# Altium PCB Placa adaptadora TMS320F28335 - PCB.PcbDoc (part 2 of 2)
Units mil, origin at the board's own origin, x right, y up, seen from the top; angles counter-clockwise.
Board outline 7480.31 x 3149.61 mil, 2 copper layers (Top Layer, Bottom Layer); 137 components, 135 nets, 584 pads, 114 vias.
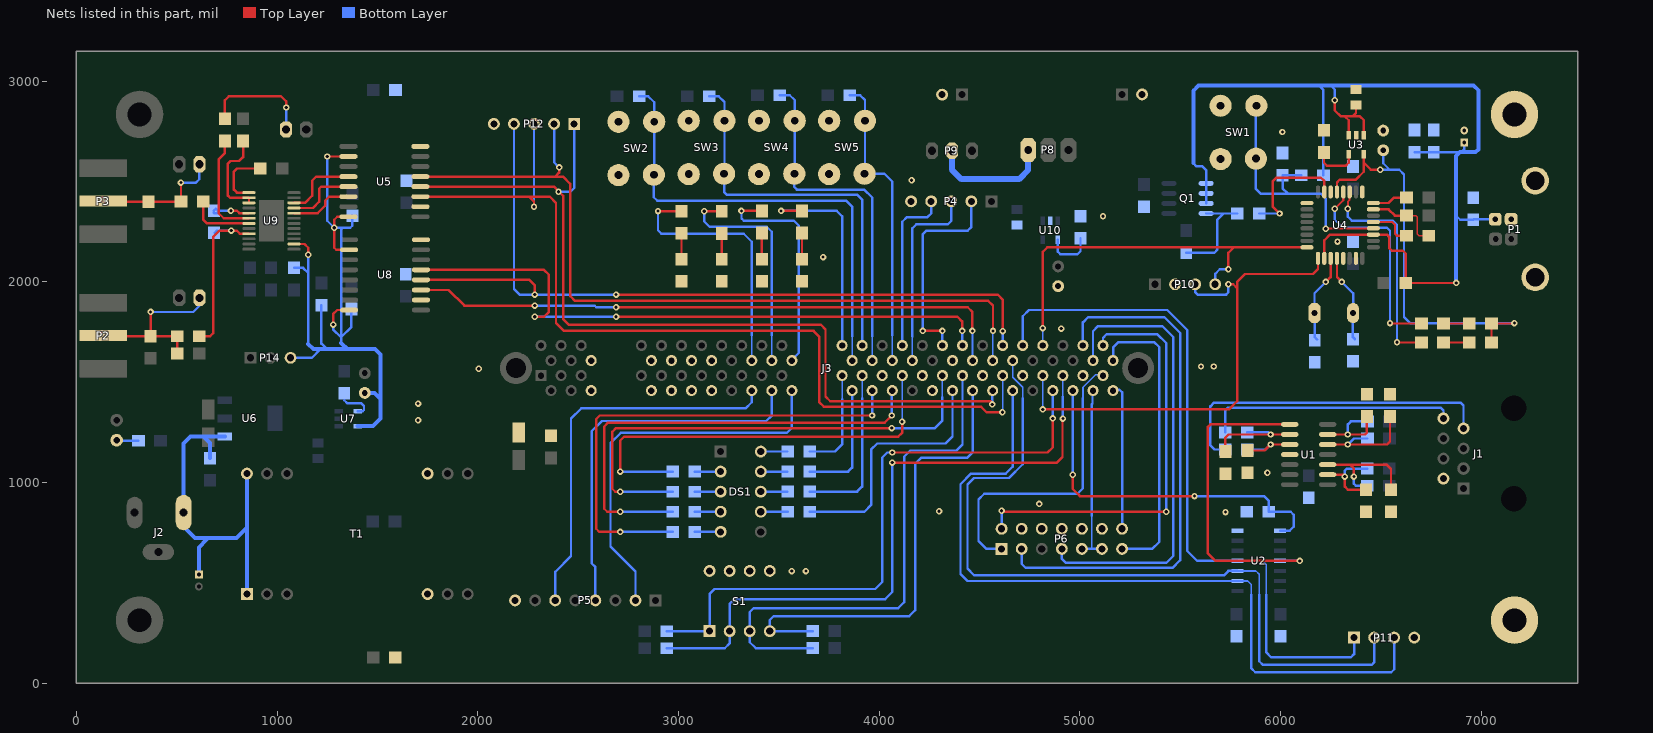
[diagram p2: the nets of this part, all layers, seen from the top]

## Via types
v1: diameter 32, hole 16, Top Layer to Bottom Layer, 114 vias

## Nets (pads, with @x,y where several pads share a name; then routed paths per layer and width w, separated by ;. In a path a pad name is that pad's centre, name@x,y a point inside that pad or via, vN(x,y) a via of type N, cw(c..) or ccw(c..) an arc to the next point about the centre after c; other vN are vias at no path point) (continued)
DVDD: C26.1 C29.1 C32.1 C37.1 P14.3 R19.1 U5.10 U5.16 U7.5 U8.10 U8.16 U9.2 | length 3857.5
  Top Layer w12: U9.2@1084.41,2189.09 1135.91,2189.09 1155,2170 v1(1155,2135) ; v1(1250,2625) U5.10@1355.87,2625 ; v1(1279.53,1787.4) 1279.53,1839.53 1300,1860 U8.16@1350.87,1860 ; U8.10@1350.87,2160 1295,2160 1285,2170 v1(1285,2270) 1285,2310 1300,2325 U5.16@1355.87,2325
  Bottom Layer w12: P14.3@1067,1622 1173.65,1622 1217,1665.35 ; C37.1@1085,2070.12 1129.88,2070.12 1155,2045 ; 1155,1691.46 1155,2045 ; v1(1155,2135) 1155,2045 ; R19.1@1220.92,1884.11 1220.92,1692.46 1248.03,1665.35 ; v1(1250,2625) 1250,2305 v1(1285,2270) 1325,2270 ; v1(1279.53,1787.4) 1279.53,1763.78 1318.9,1724.41 1370,1775.51 C32.1@1370,1864.88 ; 1318.9,1696.85 1318.9,2260.9 1325,2267 1325,2270 ; C29.1@1375,2329.88 1375,2280 1365,2270 1325,2270
  Bottom Layer w20: 1155,1691.46 1181.1,1665.35 1217,1665.35 1248.03,1665.35 1350.39,1665.35 ; 1318.9,1696.85 1350.39,1665.35 ; U7.5@1401.57,1281.5 1478.35,1281.5 1515.75,1318.9 1515.75,1417.32 ; C26.1@1437.01,1446.85 1486.22,1446.85 1515.75,1417.32 ; 1350.39,1665.35 1488.19,1665.35 1515.75,1637.8 1515.75,1417.32
EMU0: J3.100 P6.13 | length 1481.7
  Bottom Layer w12: J3.100@5165.16,1612.2 5165.16,1673.03 5192.13,1700 5370,1700 5395,1675 5395,705 5360,670 P6.13@5210,670
EMU1: J3.50 P6.14 | length 730.1
  Bottom Layer w12: J3.50@5165.16,1462.6 5197.4,1462.6 5210,1450 P6.14@5210,770
EQEPA-1: J3.40 P11.3 U2.2 | length 3899.5
  Bottom Layer w8: U2.2@5785,510 5836.46,510 5854.33,492.13 5854.33,440.94
  Bottom Layer w12: J3.40@4665.16,1462.6 4665.16,1080 4665.32,1080 4630.32,1045 4458,1045 4405,992 4405,545 4440,510 U2.2@5785,510 ; 5854.33,440.94 5854.33,74.8 5874.02,55.12 6551.18,55.12 6566.14,70.08 P11.3@6566.14,228.35
EQEPB-1: J3.90 P11.2 U2.3 | length 3902.4
  Bottom Layer w8: J3.90@4665.16,1612.2 4665.16,1524.84 4715,1475 4715,1420 ; U2.3@5785,560 5877.01,560 5893.7,543.31 5893.7,440.94
  Bottom Layer w12: 4715,1420 4715,1092 4646,1023 4473,1023 4440,990 4440,571.81 4473.81,538 5718,538 5740,560 U2.3@5785,560 ; 5893.7,440.94 5893.7,110.24 5911.94,92 6454.2,92 6466.14,103.94 P11.2@6466.14,228.35
EQEPI-1: J3.91 P11.1 U2.4 | length 3512.2
  Bottom Layer w8: U2.4@5785,610 5909.68,610 5929.13,590.55 5929.13,440.94
  Bottom Layer w12: J3.91@4715.16,1687.01 4715.16,1829.33 4745.83,1860 5435,1860 5535,1760 5535,660 5585,610 U2.4@5785,610 ; 5929.13,440.94 5929.13,153.54 5952.76,129.92 6350.39,129.92 6366.14,145.67 P11.1@6366.14,228.35
EQEPS-1: J3.41
"EXTERN 5V": P8.3 P9.2 | length 613.3
  Bottom Layer w30: P9.2@4362.2,2653.54 4362.2,2559.06 4409.45,2511.81 4696.85,2511.81 4742.52,2557.48 P8.3@4742.52,2657.48
FA+: C3.2 R2.1 U1.3 | length 616
  Top Layer w12: U1.3@6234.49,1090 6345,1090 ; v1(6365,1030) 6365,1070 6345,1090 ; C3.2@6550,965.12 6550,1068.11 6528.11,1090 6345,1090
  Bottom Layer w12: v1@6365,1015 v1(6365,1030) ; v1@6365.25,1029.75 6365.25,994.75 6375.25,984.75 R2.1@6431.24,984.75
FA-: C2.1 R1.1 U1.2 | length 396.1
  Top Layer w12: U1.2@6234.49,1040 6310,1040 v1(6320,1030) 6320,980 6334.88,965.12 C2.1@6425,965.12
  Bottom Layer w12: v1(6320,1030) 6320,1060 6329.75,1069.75 R1.1@6431.24,1069.75
FB+: C7.2 R4.1 U1.5 | length 551.6
  Top Layer w12: U1.5@6234.49,1190 v1(6335,1190) 6530,1190 6545,1205 C7.2@6545,1329.88
  Bottom Layer w12: v1(6335,1190) 6365,1220 R4.1@6432.59,1220
FB-: C6.1 R3.1 U1.6 | length 433.3
  Top Layer w12: U1.6@6234.49,1240 v1(6335,1240) 6420,1240 6430,1250 C6.1@6430,1329.88
  Bottom Layer w12: v1(6335,1240) 6335,1290 6350,1305 R3.1@6432.59,1305
FZ+: C9.2 R7.1 U1.10 | length 349.4
  Top Layer w12: C9.2@5835,1160.12 5920.12,1160.12 v1(5950,1190) U1.10@6045.51,1190
  Bottom Layer w12: R7.1@5833.76,1165.25 5925.25,1165.25 v1(5950,1190)
FZ-: C8.1 R6.1 U1.9 | length 517.1
  Top Layer w12: C8.1@5725,1155.12 5725,1225 5740,1240 v1(5950,1240) U1.9@6045.51,1240
  Bottom Layer w12: R6.1@5833.76,1250.25 5939.75,1250.25 v1(5950,1240)
GND: C1.1 C2.2 C3.1 C4.1 C5.2 C6.2 C7.1 C8.2 C9.1 C10.2 C11.2 C12.2 C13.2 C14.2 C15.2 C16.1 C17.1 C18.1 C19.1 C20.2 C21.2 C23.2 C28.2 C31.2 C41.2 C42.2 C43.2 C44.2 C45.1 J1.2 J3.6 J3.8 J3.10 J3.12 J3.14 J3.27 J3.37 J3.47 J3.56 J3.58 J3.60 J3.62 J3.64 P1.0 P1.4 P4.5 P5.8 P6.4 P6.8 P6.10 P6.12 P7.2 P10.2 P11.4 P12.5 P13.2 pad.4 pad.5 R5.1 R18.2 R22.2 R23.2 R24.2 R41.1 R42.1 S1.5 S1.6 S1.7 S1.8 SW1.1 SW2.1 SW3.1 SW4.1 SW5.1 T1.10 T1.15 U1.11 U2.7 U3.2 U4.9 U4.14 U4.17 U4.29 U4.31 U5.2 U5.8 U8.2 U8.8 U10.2
  other v1: 3563.98,559.06 3634.76,559.13 5725.39,853.35 4298.23,857.28 4797,894 5934.06,1049.21 1702.76,1311.02 1702.76,1393.7 2004.92,1566.93 5603.35,1578.74 5667.32,1578.74 4907.48,1767.72 3720.47,2124.02 6283.46,2200.79 5115.16,2326.77 4161.42,2506.89 6008.86,2747.05
GPIO-00: J3.23 R29.1 | length 523.1
  Bottom Layer w8: 3815.16,1414.84 J3.23@3815.16,1537.4
  Bottom Layer w12: R29.1@3653.76,1155.25 3780.25,1155.25 3815.16,1190.16 3815.16,1414.84
GPIO-01: J3.73 LED6.1 | length 1059.2
  Top Layer w12: v1(3511.24,2353.76) LED6.1@3615.25,2353.76
  Bottom Layer w12: v1(3511.24,2353.76) 3788.76,2353.76 3815.16,2327.37 J3.73@3815.16,1687.01
GPIO-02: J3.24 R30.1 | length 607.1
  Bottom Layer w12: R30.1@3653.76,1055.25 3845.25,1055.25 3865.16,1075.16 J3.24@3865.16,1462.6
GPIO-03: J3.74 R25.1 SW2.2 | length 2331.8
  Bottom Layer w8: J3.74@3865.16,1612.2 3865.16,1729.84
  Bottom Layer w12: R25.1@2803.76,2925.25 2848.76,2925.25 2879.07,2894.94 SW2.2@2879.07,2797.87 2879.07,2536.06 SW2.2@2877.11,2534.1 2877.11,2422.11 2894.21,2405 3835,2405 3865,2375 3865,1730 3865.16,1729.84
GPIO-04: J3.25 R31.1 | length 829
  Bottom Layer w8: 3915.16,1420.16 J3.25@3915.16,1537.4
  Bottom Layer w12: R31.1@3653.76,955.25 3890.25,955.25 3915.16,980.16 3915.16,1420.16
GPIO-05: J3.75 R26.1 SW3.2 | length 1963
  Bottom Layer w12: R26.1@3153.76,2925.25 3199.75,2925.25 3229.07,2895.93 SW3.2@3229.07,2802.87 3229.07,2541.06 SW3.2@3227.11,2539.1 3227.11,2447.89 3240,2435 3890,2435 3915.16,2409.84 J3.75@3915.16,1687.01
GPIO-06: J3.26 R33.1 | length 2449.1
  Top Layer w12: v1(2709.75,754.75) 2605.25,754.75 2590,770 2590,1317.13 2607.52,1334.65 v1(3964.57,1334.65)
  Bottom Layer w12: v1@2714.75,754.75 R33.1@2971.24,754.75 ; v1(3964.57,1334.65) 3964.57,1439.25 3976.38,1451.06 3965,1462.44 J3.26@3965.16,1462.6
GPIO-07: J3.76 R27.1 SW4.2 | length 1736.9
  Bottom Layer w8: J3.76@3965.16,1612.2 3965.16,1730
  Bottom Layer w12: R27.1@3503.76,2930.25 3554.75,2930.25 3579.07,2905.93 SW4.2@3579.07,2802.87 3579.07,2541.06 SW4.2@3577.11,2539.1 3577.11,2472.89 3590,2460 3925,2460 3965.16,2419.84 3965.16,1730
GPIO-08: J3.28 R35.1 | length 2334.3
  Top Layer w12: v1@2710,855 v1(2710.25,854.75) 2645.25,854.75 2630,870 2630,1279.61 2649.61,1299.21 4027.56,1299.21 v1(4062.99,1334.65)
  Bottom Layer w12: v1(2710.25,854.75) R35.1@2971.24,854.75 ; v1@4062.99,1342.52 4062.99,1460.43 J3.28@4065.16,1462.6
GPIO-09: J3.78 R28.1 SW5.2 | length 1495
  Bottom Layer w8: J3.78@4065.16,1612.2 4065.16,1734.84
  Bottom Layer w12: R28.1@3853.76,2930.25 3904.75,2930.25 3929.07,2905.93 SW5.2@3929.07,2802.87 3929.07,2541.06 SW5.2@3927.11,2539.1 4025.9,2539.1 4065,2500 4065,1735 4065.16,1734.84
GPIO-10: J3.29 R37.1 | length 2112.8
  Top Layer w12: v1(2710,1055) 2710,1210 2728.35,1228.35 4094.49,1228.35 4114.17,1248.03 v1(4114.17,1303.15)
  Bottom Layer w8: v1@4115.16,1315.94 J3.29@4115.16,1533.46 J3.29@4115.16,1537.4
  Bottom Layer w12: v1(2710,1055) 2710.25,1054.75 R37.1@2971.24,1054.75
GPIO-11: J3.79 P4.4 | length 838.1
  Bottom Layer w12: J3.79@4115.16,1683.07 4115.16,2300.2 4137.8,2322.83 4240.16,2322.83 4259.06,2341.73 P4.4@4259.06,2401.57
GPIO-12: J3.33 R39.1 | length 2487.4
  Top Layer w12: v1(2709.75,954.75) 2685.25,954.75 2670.25,969.75 2670.25,1252.93 2688.98,1271.65 v1(4062.99,1271.65)
  Bottom Layer w8: 4315.16,1425 J3.33@4315.16,1537.4
  Bottom Layer w12: v1(2709.75,954.75) R39.1@2971.24,954.75 ; v1(4062.99,1271.65) 4064.43,1270.21 4275.21,1270.21 4315.16,1310.16 4315.16,1425
GPIO-13: J3.83 P4.2 | length 1037.4
  Top Layer w12: v1(4216.54,1755.91) v1(4314.96,1755.91)
  Bottom Layer w12: v1(4216.54,1755.91) 4216.54,2236.22 4236.22,2255.91 4440.94,2255.91 4459.06,2274.02 P4.2@4459.06,2401.57 ; v1(4314.96,1755.91) 4315.16,1755.71 J3.83@4315.16,1683.07
GPIO-14: J3.84
GPIO-15: J3.34 R40.1 | length 1260.7
  Bottom Layer w12: R40.1@3653.76,855.25 3926.12,855.25 3960,889.13 3960,1165 3990,1195 4330,1195 4365.16,1230.16 J3.34@4365.16,1462.6
GPIO-24: J3.35 R36.2 S1.3 | length 2653.9
  Bottom Layer w8: 4415.16,1420.16 J3.35@4415.16,1537.4
  Bottom Layer w12: R36.2@3668.53,175.25 3384.75,175.25 3355,205 S1.3@3355,260 3355,355 3375,375 4095,375 4125,405 4125,1130 4155,1160 4385,1160 4415,1190 4415,1420 4415.16,1420.16
GPIO-25: J3.85 U8.5 | length 3181.6
  Top Layer w12: U8.5@1709.13,2060 U8.5@1717.01,2060 2329.76,2060 2354.33,2035.43 2354.33,1850.39 2330.71,1826.77 v1(2283.46,1826.77) ; v1(2688.98,1826.77) 4389.76,1826.77 4413.39,1803.15 v1(4413.39,1755.91)
  Bottom Layer w12: v1(2283.46,1826.77) v1(2688.98,1826.77) ; v1(4413.39,1755.91) 4413.39,1684.84 J3.85@4415.16,1683.07
GPIO-26: J3.36 R38.2 S1.4 | length 2364.8
  Bottom Layer w12: R38.2@3668.53,260.25 3668.28,260 S1.4@3455,260 3455,315 3475,335 4150,335 4180,365 4180,1095 4210,1125 4440,1125 4465.16,1150.16 J3.36@4465.16,1462.6
GPIO-27: J3.86 U8.3 | length 3051.1
  Top Layer w12: U8.3@1709.13,1960 U8.3@1717.01,1960 1854.96,1960 1933.07,1881.89 v1(2283.46,1881.89) ; v1(2688.98,1874.02) 4440.94,1874.02 4464.57,1850.39 v1(4464.57,1755.91)
  Bottom Layer w8: v1(4464.57,1755.91) 4465.16,1755.31 J3.86@4465.16,1608.27
  Bottom Layer w12: v1@2283.46,1874.02 v1(2283.46,1881.89) 2582.68,1881.89 2590.55,1874.02 v1(2688.98,1874.02)
GPIO-30: J3.44 R32.2 S1.1 | length 3083.8
  Top Layer w12: v1(4065,1150) 4838.98,1150 4865.16,1176.18 v1(4865.16,1319.88)
  Bottom Layer w12: R32.2@2941.47,259.75 3135.75,259.75 3135.75,240.75 S1.1@3162.62,240.75 ; S1.1@3155,260 3155,445 3180,470 3980,470 4015,505 4015,1125 4040,1150 v1(4065,1150) ; v1(4865.16,1319.88) J3.44@4865.16,1458.66
GPIO-32: J3.45 R34.2 S1.2 | length 3265
  Top Layer w12: v1(4065,1100) 4885.43,1100 4913.39,1127.95 v1@4913.39,1318.9
  Bottom Layer w8: 4915.16,1427.36 J3.45@4915.16,1533.46
  Bottom Layer w12: R34.2@2941.47,174.75 3230.85,174.75 3255,198.9 S1.2@3255,260 3255,395 3280,420 4030,420 4065,455 v1(4065,1100) ; 4915.16,1427.36 4915.35,1427.17 v1(4915.35,1318.9)
GPIO-34: J3.46 R5.2 U2.8 | length 1811.5
  Top Layer w12: v1(4964.57,1039.37) 4964.57,968.5 5000,933.07 v1(5570.87,933.07)
  Bottom Layer w12: v1(4964.57,1039.37) 4965.16,1039.96 J3.46@4965.16,1458.66 ; v1(5570.87,933.07) 5917.32,933.07 5941.47,908.92 R5.2@5941.47,854.75 6050.25,854.75 6065,840 6065,780 6045,760 U2.8@5997.6,760
GPIO-49: J3.80 P4.3 | length 966.2
  Bottom Layer w8: J3.80@4165.16,1608.27 4165.16,1728.15
  Bottom Layer w12: 4165.35,1728.35 4165.16,1728.15 4165.16,2267.52 4185.04,2287.4 4342.52,2287.4 4359.06,2303.94 P4.3@4359.06,2401.57
GPIO-58: J3.18 P5.6 | length 1930.6
  Bottom Layer w12: P5.6@2385.83,413.39 2385.83,555.12 2464.57,633.86 2464.57,1318.9 2515.75,1370.08 3334.65,1370.08 3365.16,1400.59 J3.18@3365.16,1458.66
GPIO-59: J3.68 LED3.1 | length 1286.8
  Top Layer w12: v1(2897.76,2352.76) LED3.1@3010.25,2352.76
  Bottom Layer w8: J3.68@3365.16,1612.2 3365.16,1734.84
  Bottom Layer w12: v1(2897.76,2352.76) 2897.76,2257.24 2915,2240 3325,2240 3365,2200 3365,1735 3365.16,1734.84
GPIO-60: J3.20 P5.4 | length 1904.9
  Bottom Layer w12: P5.4@2585.83,413.39 2585.83,579.53 2566.93,598.43 2566.93,1255.91 2618.11,1307.09 3437.01,1307.09 3465.16,1335.24 J3.20@3465.16,1458.66
GPIO-61: J3.70 LED4.1 | length 1133.1
  Top Layer w12: v1(3128.24,2351.76) LED4.1@3215.25,2351.76
  Bottom Layer w8: J3.70@3465.16,1612.2 3465.16,1734.84
  Bottom Layer w12: v1(3128.24,2351.76) 3128.24,2301.76 3155,2275 3440,2275 3465,2250 3465,1735 3465.16,1734.84
GPIO-62: J3.22 P5.2 | length 1955.5
  Bottom Layer w12: P5.2@2785.83,413.39 2785.83,556.69 2661.42,681.1 2661.42,1196.85 2712.6,1248.03 3539.37,1248.03 3565.16,1273.82 J3.22@3565.16,1458.66
GPIO-63: J3.72 LED5.1 | length 1122.5
  Top Layer w12: v1(3313.76,2353.76) LED5.1@3415.25,2353.76
  Bottom Layer w12: v1(3313.76,2353.76) 3313.76,2316.24 3325,2305 3575,2305 3600,2280 3600,1647.05 J3.72@3565.16,1612.2
GPIO-84: J3.31
GPIO-86: J3.32 | length 9.6
  Bottom Layer w12: J3.32@4263.78,1455.79 4267.72,1459.72 4265,1462.44 J3.32@4265.16,1462.6
HART-IN: C40.1 U9.18 | length 534.4
  Top Layer w12: C40.1@740.13,2702.04 740.13,2641.71 708.66,2610.24 708.66,2342.52 734.13,2317.05 U9.18@860,2317.05
IOUT: R20.2 U9.19 | length 325.6
  Top Layer w12: R20.2@631.47,2400.25 631.47,2311.53 651.54,2291.46 U9.19@860,2291.46
MISO: U5.12 U9.10 | length 369.7
  Top Layer w12: U9.10@1084.41,2393.82 1138.82,2393.82 1175,2430 1175,2505 1195,2525 U5.12@1355.87,2525
MOSI: U5.13 U9.9 | length 353.8
  Top Layer w12: U9.9@1084.41,2368.23 1178.23,2368.23 1210,2400 1210,2465 1220,2475 U5.13@1355.87,2475
N/C: P6.6
NetC11_1: C11.1 U3.4 | length 227.7
  Top Layer w12: C11.1@6216.24,2645.02 6216.24,2593.65 6230,2579.88 6325,2579.88 6339.19,2594.07 U3.4@6339.19,2635.88
NetC22_2: C22.2 Q1.4 R15.2 | length 508.8
  Bottom Layer w12: C22.2@5530,2145.75 5669.88,2145.75 5685,2160.87 5685,2311.12 5715,2341.12 ; Q1.4@5628.76,2341 5628.87,2341.12 5715,2341.12 ; R15.2@5783.53,2341.12 5715,2341.12
NetC30_1: C30.1 U7.4 | length 163.8
  Bottom Layer w12: 1334.65,1410.17 1348.32,1396.5 1418.46,1396.5 1433.07,1381.89 1433.07,1362.2 1427.17,1356.3 U7.4@1401.57,1356.3
NetC33_2: C33.2 U9.17 | length 209.4
  Top Layer w12: v1(770,2355) 800,2355 812.36,2342.64 U9.17@860,2342.64
  Bottom Layer w12: C33.2@685,2345.12 687.48,2342.64 C33.2@705,2342.64 ; C33.2@685,2355.12 694.88,2365 704.88,2355 v1(770,2355)
NetC34_1: C34.1 P2.1 R16.1 R17.1 W3.1 | length 842.4
  Top Layer w12: P2.1@120.98,1732.32 123.19,1730.12 C34.1@370,1730.12 ; v1(370.08,1850.39) 370,1850.32 C34.1@370,1730.12 ; R16.1@501.97,1644.25 R17.1@501.97,1729.25 370.87,1729.25 C34.1@370,1730.12
  Bottom Layer w12: v1(370.08,1850.39) 582.68,1850.39 612.57,1880.28
NetC38_1: C38.1 P3.1 R20.1 W1.1 | length 656.2
  Top Layer w12: P3.1@133.98,2402.32 136.06,2400.25 R20.1@521.24,2400.25 521.24,2494.76 v1(521,2495)
  Bottom Layer w12: v1(521,2495) 596,2495 612.57,2511.57 W1.1@612.57,2586.41
NetC40_2: C40.2 W2.1 | length 556.6
  Top Layer w12: C40.2@740.13,2812.28 740.13,2905.49 759.84,2925.2 1019.68,2925.2 1045.43,2899.46 v1(1045.43,2869.24)
  Bottom Layer w12: W2.1@1045.43,2760.2 v1(1045.43,2869.24)
NetC42_1: C42.1 U10.4 | length 249.4
  Bottom Layer w12: U10.4@4889.6,2210.65 4889.6,2151.07 4902.83,2137.83 4987.83,2137.83 5002.83,2152.83 C42.1@5002.83,2217.72
NetD1_1: D1.1 R44.1 | length 106.9
  Bottom Layer w12: D1.1@202.42,1208.78 R44.1@309.31,1208.78
NetDS1_2: DS1.2 R37.2 | length 128.3
  Bottom Layer w12: R37.2@3081.47,1054.75 DS1.2@3209.75,1054.75
NetDS1_3: DS1.3 R39.2 | length 128.3
  Bottom Layer w12: R39.2@3081.72,955 DS1.3@3210,955
NetDS1_4: DS1.4 R35.2 | length 128.3
  Bottom Layer w12: R35.2@3081.72,855 DS1.4@3210,855
NetDS1_5: DS1.5 R33.2 | length 128.3
  Bottom Layer w12: R33.2@3081.72,755 DS1.5@3210,755
NetDS1_7: DS1.7 R40.2 | length 133.6
  Bottom Layer w12: DS1.7@3410,855 3543.28,855 R40.2@3543.53,855.25
NetDS1_8: DS1.8 R31.2 | length 133.3
  Bottom Layer w12: DS1.8@3410,955 R31.2@3543.28,955
NetDS1_9: DS1.9 R30.2 | length 133.3
  Bottom Layer w12: DS1.9@3410,1055 R30.2@3543.28,1055
NetDS1_10: DS1.10 R29.2 | length 133.3
  Bottom Layer w12: DS1.10@3410,1155 R29.2@3543.28,1155
NetLED1_1: LED1.1 R12.2 | length 128.8
  Top Layer w12: LED1.1@6811.94,1793.13 6940.34,1793.13 R12.2@6940.59,1792.87
NetLED2_1: LED2.1 R13.2 | length 128.4
  Top Layer w12: LED2.1@6811.94,1698.13 R13.2@6940.34,1698.13
NetLED3_2: LED3.2 R18.1 | length 130.2
  Top Layer w12: LED3.2@3014.19,2242.53 3015.25,2241.46 R18.1@3015.25,2112.76
NetLED4_2: LED4.2 R22.1 | length 128.8
  Top Layer w12: R22.1@3215.25,2112.76 LED4.2@3215.25,2241.53
NetLED5_2: LED5.2 R23.1 | length 129.8
  Top Layer w12: R23.1@3415.25,2113.76 LED5.2@3415.25,2243.53
NetLED6_2: LED6.2 R24.1 | length 129.8
  Top Layer w12: R24.1@3615.25,2113.76 LED6.2@3615.25,2243.53
NetR21_1: R21.1 U9.13 | length 308.8
  Top Layer w12: U9.13@860,2445 800,2445 785,2460 785,2550 800.25,2565.25 R21.1@916.24,2565.25
PWREN#: R15.1 U4.15 | length 602.4
  Top Layer w12: v1(5995,2340.87) 5960,2375.87 5960,2500 5980,2520 6200,2520 6217.85,2502.15 U4.15@6217.85,2448.24
  Bottom Layer w12: R15.1@5893.76,2341.12 5894.02,2340.87 v1(5995,2340.87)
REFIN: C39.1 U9.14 U9.15 | length 463.7
  Top Layer w12: C39.1@830.68,2702.04 830.68,2622.02 811.02,2602.36 767.72,2602.36 755,2589.65 755,2430 765.59,2419.41 U9.14@860,2419.41 U9.15@860,2393.82
RESET#: C23.1 R14.1 SW1.2 U4.4 | length 1367.3
  Top Layer w10: v1(6225,2265) 6227.14,2267.14 U4.4@6461.94,2267.14
  Bottom Layer w12: SW1.2@5879.07,2877.87 5877.11,2875.9 SW1.2@5877.11,2614.1 5877.11,2462.89 5900,2440 6036,2440 ; R14.1@6103.24,2531.75 6103.1,2531.88 C23.1@6010,2531.88 6010,2466 6036,2440 ; v1(6225,2265) 6225,2415 6200,2440 6036,2440
RSTOUT#: R11.1 U4.5 | length 220.2
  Top Layer w12: U4.5@6461.94,2298.64 6556.24,2298.64 6570,2284.88 6570,2239.88 6579.5,2230.39 R11.1@6627.47,2230.39
RXD: J3.93 P10.4 U4.24 | length 2037.1
  Top Layer w12: v1(4815,1770) 4815,2149.65 4838.01,2172.65 5767.72,2172.65 ; v1(5740.16,2062.99) 5740.16,2145.09 5767.72,2172.65 ; U4.24@6131.24,2172.65 5767.72,2172.65
  Bottom Layer w8: J3.93@4815,1687.17 v1(4815,1770)
  Bottom Layer w12: J3.93@4815,1687.17 J3.93@4815.16,1687.01 ; P10.4@5674.02,1988.19 5674.02,2040.16 5696.85,2062.99 v1(5740.16,2062.99)
RXLED#: LED2.2 U4.11 | length 1121
  Top Layer w10: v1@6343.83,2373.83 v1(6335,2365) 6335,2400 6343.83,2408.83 U4.11@6343.83,2448.24 ; LED2.2@6698.58,1695 LED2.2@6701.71,1698.13
  Top Layer w12: v1@6578.13,1698.13 LED2.2@6701.71,1698.13
  Bottom Layer w10: v1@6575,1695 v1(6580,1700)
  Bottom Layer w12: v1(6335,2365) 6335,2325 6355,2305 6560,2305 6580,2285 v1(6580,1700)
SCIRX-A: J3.43 P10.3 U4.25 | length 2540.6
  Top Layer w12: v1(4815,1365) 5742.95,1365 5783.46,1405.51 5783.46,1968.5 ; v1(5740.16,1988.19) 5763.78,1988.19 5783.46,1968.5 ; U4.25@6186.35,2117.54 6186.35,2064.31 6161.42,2039.37 5822.83,2039.37 5783.46,2000 5783.46,1968.5
  Bottom Layer w8: v1(4815,1365) J3.43@4815,1537.24
  Bottom Layer w12: J3.43@4815,1537.24 J3.43@4815.16,1537.4 ; P10.3@5574.02,1988.19 5574.02,1949.61 5586.61,1937.01 5728.35,1937.01 5740.16,1948.82 v1(5740.16,1988.19)
SCLK: U5.14 U9.8 | length 320.2
  Top Layer w12: U9.8@1084.41,2342.64 1202.64,2342.64 1240,2380 1240,2405 1260,2425 U5.14@1355.87,2425
SPICLK-A: J3.39 P12.3 U5.3 | length 4535.6
  Top Layer w12: U5.3@1714.13,2425 2255.91,2425 ; v1(2280.32,2374.8) 2280.32,2400.59 2255.91,2425 ; v1@4606.3,1350.39 4535.43,1350.39 4507.87,1377.95 3724.41,1377.95 3700.79,1401.57 3700.79,1728.35 3673.23,1755.91 2429.13,1755.91 2389.76,1795.28 2389.76,2350.39 2389.76,2393.7 2358.46,2425 2255.91,2425
  Bottom Layer w8: v1@4615.16,1351.38 J3.39@4615.16,1533.46
  Bottom Layer w12: v1(2280.32,2374.8) P12.3@2280.32,2787.4 ; v1(4614.17,1350.39) v1@4615.16,1351.38
SPISIMO-A: J3.38 P12.1 U5.4 | length 4333.7
  Top Layer w12: U5.4@1714.13,2475 2379.33,2475 v1@2402.26,2452.07 ; v1(2402.26,2449.51) v1@2402.26,2452.07 ; v1@4566.93,1393.69 4555.11,1405.51 3755.91,1405.51 3732.28,1429.13 3732.28,1763.78 3708.66,1787.4 2452.76,1787.4 2425.2,1814.96 2425.2,2429.13 v1@2402.26,2452.07
  Bottom Layer w12: v1(2402.26,2449.51) 2461.32,2449.51 2480.32,2468.5 P12.1@2480.32,2787.4 ; v1(4562.99,1389.76) 4562.99,1456.5 J3.38@4565.16,1458.66
SPISOMI-A: J3.88 P12.2 U5.5 | length 4002
  Top Layer w12: U5.5@1714.13,2525 2385.83,2525 ; v1(2405.51,2570.87) 2405.51,2544.68 2385.83,2525 ; v1(4566.93,1755.91) 4566.93,1881.89 4543.31,1905.51 2484.25,1905.51 2460.63,1929.13 2460.63,2488.19 2423.82,2525 2385.83,2525
  Bottom Layer w8: J3.88@4565.16,1608.27 4565.16,1754.13 v1(4566.93,1755.91)
  Bottom Layer w12: P12.2@2380.32,2787.4 2380.32,2596.06 v1(2405.51,2570.87)
SPISTE-A: J3.89 P12.4 U8.4 | length 4143.7
  Top Layer w12: U8.4@1709.13,2010 U8.4@1717.01,2010 2257.72,2010 2283.46,1984.25 v1(2283.46,1937.01) ; v1(2688.98,1937.01) 4590.55,1937.01 4615.16,1912.4 v1(4615.16,1754.92)
  Bottom Layer w12: P12.4@2180.32,2787.4 2180.32,1965.35 2208.66,1937.01 v1(2283.46,1937.01) 2287.4,1940.94 2291.34,1937.01 v1(2688.98,1937.01) ; J3.89@4615.16,1683.07 v1(4615.16,1754.92)
SUPPLY: C24.2 C46.1 J2.1 T1.1 T1.24 U6.1 | length 1907.2
  Bottom Layer w20: C46.1@610.16,541.57 610.16,677.65 649.61,717.09 ; C24.2@665.35,1122.05 665.35,1198.07 633.86,1229.57 ; U6.1@739.84,1229.57 633.86,1229.57 ; T1.1@850,445 850,775.59 ; T1.24@850,1045 850,775.59 ; 633.86,1229.57 568.15,1229.57 534.37,1195.79 J2.1@534.37,851.06 534.37,780.59 590.55,724.41 798.82,724.41 850,775.59
TCK: J3.48 P6.9 P6.11 | length 894.7
  Bottom Layer w8: 5060,670 5060,835
  Bottom Layer w12: P6.9@5010,670 5060,670 P6.11@5110,670 ; 5060,835 5060,1391 5062.99,1393.99 5062.99,1460.43 J3.48@5065.16,1462.6
TDI: J3.97 P6.3 | length 2660.9
  Bottom Layer w12: P6.3@4710,670 4710,595 4730,575 5460.83,575 5500,614.17 5500,1745 5420,1825 5041.54,1825 5015.16,1798.62 J3.97@5015.16,1687.01
TDO: J3.98 P6.7 | length 2293
  Bottom Layer w8: J3.98@5065.16,1612.2 5065.16,1730.16
  Bottom Layer w12: P6.7@4910,670 4910,620 4930,600 5430,600 5465,635 5465,1725 5410,1780 5091.02,1780 5065.16,1754.13 5065.16,1730.16
TMS: J3.49 P6.1 | length 1509.8
  Bottom Layer w8: 5015.2,1420.2 5015.2,1475.2 5077.4,1537.4 J3.49@5115.16,1537.4
  Bottom Layer w12: P6.1@4610,670 4535,670 4495,710 4495,916.26 4523.74,945 4988.31,945 5015,971.69 5015,1420
TRSTN: J3.99 P6.2 | length 2127.7
  Top Layer w12: v1(4610,860) 4615,855 v1(5430,855)
  Bottom Layer w12: P6.2@4610,770 v1(4610,860) ; J3.99@5115.16,1687.01 5115.16,1721.46 5133.7,1740 5385,1740 5430,1695 v1(5430,855)
TXLED#: LED1.2 U4.12 | length 1071
  Top Layer w12: v1(6270,2365) 6312.34,2407.34 U4.12@6312.34,2448.24 ; v1@6546.87,1793.13 LED1.2@6701.71,1793.13 LED1.2@6699.83,1795
  Bottom Layer w12: v1(6270,2365) 6270,2310 6310,2270 6530,2270 6545,2255 v1(6545,1795)
U5V: C10.1 C14.1 C18.2 C19.2 C20.1 P1.1 Q1.1 Q1.2 Q1.3 R8.1 R14.2 U3.1 U3.3 U4.3 U4.26 | length 5553.3
  Top Layer w10: v1@6874.63,1994.63 v1(6875,1995)
  Top Layer w12: U4.26@6217.85,2117.54 6217.85,2207.73 6245.76,2235.65 U4.3@6461.94,2235.65 6529.24,2235.65 6540.68,2224.2 6540.68,2169.2 6553.56,2156.32 6608.56,2156.32 6623.76,2141.12 R8.1@6623.76,1994.63 v1@6874.63,1994.63 ; v1(6270,2905) 6270,2855 6300.24,2824.76 6320.11,2824.76 ; U3.3@6339.19,2730.37 6339.19,2805.69 6320.11,2824.76 ; C10.1@6375.75,2881.3 6375.75,2842.24 6358.27,2824.76 ; U3.1@6413.99,2730.37 6413.99,2806.48 6395.71,2824.76 6358.27,2824.76 ; 6320.11,2824.76 6358.27,2824.76
  Bottom Layer w10: C14.1@6960,2309.88 C14.1@6962.39,2312.28
  Bottom Layer w12: 5565,2592.48 5581.61,2575.87 5610,2575.87 5628.76,2557.11 Q1.1@5628.76,2491 Q1.2@5628.76,2441 Q1.3@5628.76,2391 ; 6191,2978.76 6213.47,2956.28 R14.2@6213.47,2531.75 ; 6250,2978.76 6270,2958.76 v1(6270,2905) ; C19.2@6667.91,2646.76 6895,2646.76 6900,2646.76 6915.08,2661.83 C20.1@6915.08,2695.24 ; 6875,2330 6895.12,2309.88 C14.1@6960,2309.88 ; C14.1@6962.39,2312.28 P1.1@7069.86,2312.28
  Bottom Layer w20: 5565,2592.48 5565,2952.51 5591.24,2978.76 6191,2978.76 6250,2978.76 6961.24,2978.76 6985,2955 6985,2660 6971.76,2646.76 6900,2646.76 ; v1(6875,1995) 6875,2330 6875,2626.76 6895,2646.76
USBDM: R9.1 U4.8 | length 176.8
  Top Layer w12: U4.8@6461.94,2393.13 6538.24,2393.13 6565.5,2420.39 R9.1@6627.47,2420.39
USBDP: R10.1 R11.2 U4.7 | length 379.9
  Top Layer w8: R10.1@6627.47,2330.39 6674.61,2330.39 6680,2325 6680,2240 6689.61,2230.39 R11.2@6737.71,2230.39
  Top Layer w12: U4.7@6461.94,2361.63 6538.25,2361.63 6569.5,2330.39 R10.1@6627.47,2330.39
VCCIO: C12.1 R12.1 R13.1 U3.5 U4.13 | length 2108.2
  Top Layer w12: U4.13@6280.84,2448.24 6280.84,2495.84 6295,2510 6375,2510 6413.99,2548.99 6413.99,2595 ; U3.5@6413.99,2635.88 6413.99,2595 ; v1(6496.06,2559.06) 6449.94,2559.06 6413.99,2595 ; R13.1@7050.83,1697.87 R12.1@7050.83,1792.87 7162.87,1792.87 v1(7165,1795)
  Bottom Layer w12: v1(6496.06,2559.06) 6543.5,2559.06 ; C12.1@6511.24,2655.92 6511.24,2591.32 6543.5,2559.06 ; v1(7165,1795) 6645,1795 6615,1825 6615,2535 6590.94,2559.06 6543.5,2559.06
VOUT: C33.1 R17.2 U9.21 | length 839.8
  Top Layer w12: R17.2@612.2,1729.25 666.26,1729.25 681.1,1744.09 681.1,2224.41 712.6,2255.91 799.09,2255.91 814.72,2240.28 U9.21@860,2240.28
  Bottom Layer w12: C33.1@690.12,2245 701.02,2255.91 v1(771.65,2255.91)
XTIN: C13.1 U4.27 Y1.1 | length 445
  Top Layer w12: v1(6225,1999.88) 6249.35,2024.23 U4.27@6249.35,2117.54
  Bottom Layer w10: Y1.1@6170,1832.6 Y1.1@6180.53,1843.13
  Bottom Layer w12: Y1.1@6168.94,1844.88 6168.94,1943.82 v1(6225,1999.88) ; Y1.1@6170,1832.6 6170,1724.83 C13.1@6181.59,1713.24
XTOUT: C15.1 U4.28 Y1.2 | length 443.4
  Top Layer w12: U4.28@6280.84,2117.54 6280.84,2024.04 v1(6305,1999.88)
  Bottom Layer w10: Y1.2@6360,1830.47 Y1.2@6372.65,1843.13
  Bottom Layer w12: v1(6305,1999.88) 6361.06,1943.82 Y1.2@6361.06,1844.88 ; Y1.2@6360,1830.47 6360,1725 C15.1@6370,1715
Z: U1.8 U2.11 | length 1613.4
  Top Layer w12: U1.8@6045.51,1290 5650,1290 5637.8,1277.8 5637.8,647.2 5675,610 v1(6095,610)
  Bottom Layer w12: U2.11@5997.6,610 v1(6095,610)
Z+: J1.7 R7.2 | length 1665.7
  Bottom Layer w12: R7.2@5723.53,1165.25 5723.28,1165 5670,1165 5650,1185 5650,1380 5668.61,1398.61 6896.39,1398.61 6911.39,1383.61 J1.7@6911.39,1270.13
Z-: J1.8 R6.2 | length 1247.1
  Bottom Layer w12: R6.2@5723.53,1250.25 5723.53,1358.53 5738.61,1373.61 6796.39,1373.61 6811.39,1358.61 J1.8@6811.39,1320.13
pads on no net: J1.MH1 J1.MH2 J3.1 J3.2 J3.3 J3.4 J3.5 J3.7 J3.16 J3.30 J3.42 J3.51 J3.52 J3.53 J3.54 J3.55 J3.57 J3.59 J3.61 J3.63 J3.65 J3.66 J3.67 J3.69 J3.71 J3.81 J3.94 J3.95 J3.101 J3.102 T1.2 T1.3 T1.22 T1.23 U1.12 U1.13 U1.14 U2.5 U2.6 U2.9 U2.10 U4.1 U4.2 U4.10 U4.16 U4.18 U4.19 U4.20 U4.21 U4.22 U4.23 U4.32 U5.6 U5.11 U8.6 U8.11 U9.20

## Polygon pours and split planes (outlines as drawn)
GND on Top Layer "Top Layer-No Net" (solid, pour order 14): 7468.31,12.01 1541.34,12.01 1541.34,3137.6 7468.31,3137.6
no net on Top Layer "Top Layer-No Net" (solid, pour order 4): 0,3149.61 1535.43,3149.61
AGND on Top Layer "Top Layer-No Net" (solid, pour order 8): 1528.54,12.01 12.01,12.01 12.01,3137.6 1528.54,3137.6
AGND on Bottom Layer "Top Layer-No Net" (solid, pour order 10): 1528.54,12.01 12.01,12.01 12.01,3137.6 1528.54,3137.6
GND on Bottom Layer "Top Layer-No Net" (solid, pour order 12): 1541.34,3137.6 1541.34,12.01 7468.31,12.01 7468.31,3137.6

## Silkscreen, mask and mechanical layers (free items; w line width, h text height)
Top Overlay:
  lines w10: 19.68,511.81 531.5,511.81 531.5,629.92 ; 19.68,1437.01 728.35,1437.01 728.35,2066.93 78.74,2066.93 19.68,2066.93 ; 19.68,2696.85 669.29,2696.85 ; 728.35,1968.5 728.35,2618.11 ; 1535.43,19.68 1535.43,3129.92 ; 4762.17,2500 4565.32,2500 4565.32,2814.96 4762.17,2814.96 ; 4783.46,452.76 4330.71,452.76 4330.71,925.2 5531.5,925.2 5531.5,452.76 5078.74,452.76 ; 4921.26,2500 5118.11,2500 5118.11,2814.96 4921.26,2814.96 ; 5551.18,2559.06 5551.18,2440.94 6023.62,2440.94 6023.62,2578.74
  text "5V Header" at 4173.23,3031.5 h48
  text "SPI" at 2224.41,2874.02 h48
  text "5V" at 5216.54,2775.59 h48 r90
  text "GND" at 5314.96,2736.22 h48 r90
  text "ISO   HD" at 4173.23,2716.54 h48
  text "HART" at 1007.87,2641.73 h48
  text "GND" at 2106.3,2578.74 h48 r90
  text "STE" at 2204.72,2578.74 h48 r90
  text "CLK" at 2303.15,2578.74 h48 r90
  text "SOMI" at 2401.57,2539.37 h48 r90
  text "SIMO" at 2500,2539.37 h48 r90
  text "5V USB" at 5099,2523 h48 r90
  text "5V EXT" at 4645.67,2519.69 h48 r90
  text "RESET USB" at 5590.55,2460.63 h48
  text "(03)" at 2716.54,2421.26 h48
  text "(05)" at 3070.87,2421.26 h48
  text "(07)" at 3425.2,2421.26 h48
  text "(09)" at 3779.53,2421.26 h48
  text "GND" at 4173.23,2204.72 h48 r90
  text "3V3" at 4566.93,2204.72 h48 r90
  text "IOUT" at 78.74,2086.61 h48
  text "SCIRXD" at 5596.46,2067.91 h48 r90
  text "5V" at 5393.7,2066.93 h48 r90
  text "GND" at 5492.13,2066.93 h48 r90
  text "SCITXD" at 5696.85,2066.93 h48 r90
  text "GPIO-11" at 4271.65,2047.24 h48 r90
  text "GPIO-13" at 4468.5,2031.5 h48 r90
  text "GPIO-49" at 4370.08,2027.56 h48 r90
  text "UART" at 5433.07,1870.08 h48
  text "(59)" at 3031.5,1771.65 h48 r90
  text "(61)" at 3228.35,1771.65 h48 r90
  text "(63)" at 3444.88,1771.65 h48 r90
  text "(01)" at 3641.73,1771.65 h48 r90
  text "VOUT" at 78.74,1456.69 h48
  text "AVDD" at 885.83,1377.95 h48 r90
  text "AGND" at 984.25,1377.95 h48 r90
  text "DVDD" at 1082.68,1377.95 h48 r90
  text "ISOLATED" at 1614.17,1279.53 h48 r90
  text "(10)" at 2952.76,1023.62 h48
  text "(00)" at 3523.62,1023.62 h48
  text "(12)" at 2952.76,925.2 h48
  text "(02)" at 3523.62,925.2 h48
  text "(08)" at 2952.76,826.77 h48
  text "(04)" at 3523.62,826.77 h48
  text "(06)" at 2952.76,728.35 h48
  text "(15)" at 3523.62,728.35 h48
  text "12.5 - 15V" at 39.37,551.18 h48
  text "GND" at 2204.72,492.13 h48 r90
  text "ADCIN-B5" at 2303.15,492.13 h48 r90
  text "GPIO-58" at 2401.57,492.12 h48 r90
  text "ADCIN-B6" at 2500,492.12 h48 r90
  text "GPIO-60" at 2598.43,492.12 h48 r90
  text "ADCIN-B7" at 2696.85,492.12 h48 r90
  text "GPIO-62" at 2795.28,492.12 h48 r90
  text "3V3" at 2893.7,492.12 h48 r90
  text "J-TAG" at 4822.83,433.07 h48
  text "eQEPI" at 6397.64,295.28 h48 r90
  text "eQEPB" at 6496.06,295.28 h48 r90
  text "eQEPA" at 6594.49,295.28 h48 r90
  text "GND" at 6692.91,295.28 h48 r90
  text "eQEP" at 6437.01,98.43 h48
  text "(30)" at 3188.98,39.37 h48 r90
  text "(32)" at 3287.4,39.37 h48 r90
  text "(24)" at 3385.83,39.37 h48 r90
  text "(26)" at 3484.25,39.37 h48 r90
Mechanical 1:
  rectangle: 0,0 7480.32,3149.61
  rectangle: 1528.54,0 1541.34,3149.61

## Text inside footprints (layer, text, board x,y; h text height)
C20: Top Overlay "+" at 7020.39,2601.73 h48 r90
C46: Top Overlay "+" at 649.61,629.92 h48 r270
J3: Top Overlay "1" at 2305.32,1335.63 h30; Top Overlay "51" at 2275.79,1747.05 h30; Top Overlay "6" at 2545.47,1335.63 h30; Top Overlay "55" at 2465.94,1747.05 h30; Top Overlay "7" at 2845.47,1335.63 h30; Top Overlay "57" at 2765.94,1747.05 h30; Top Overlay "22" at 3515.94,1335.63 h30; Top Overlay "71" at 3475.79,1747.05 h30; Top Overlay "24" at 3815.94,1335.63 h30; Top Overlay "73" at 3765.94,1747.05 h30; Top Overlay "50" at 5115.94,1335.63 h30; Top Overlay "100" at 5091.34,1747.05 h30
P6: Top Overlay "14" at 5290,750 h30; Top Overlay "1" at 4490,650 h30